# KiCad board proteus.kicad_pcb (continued)
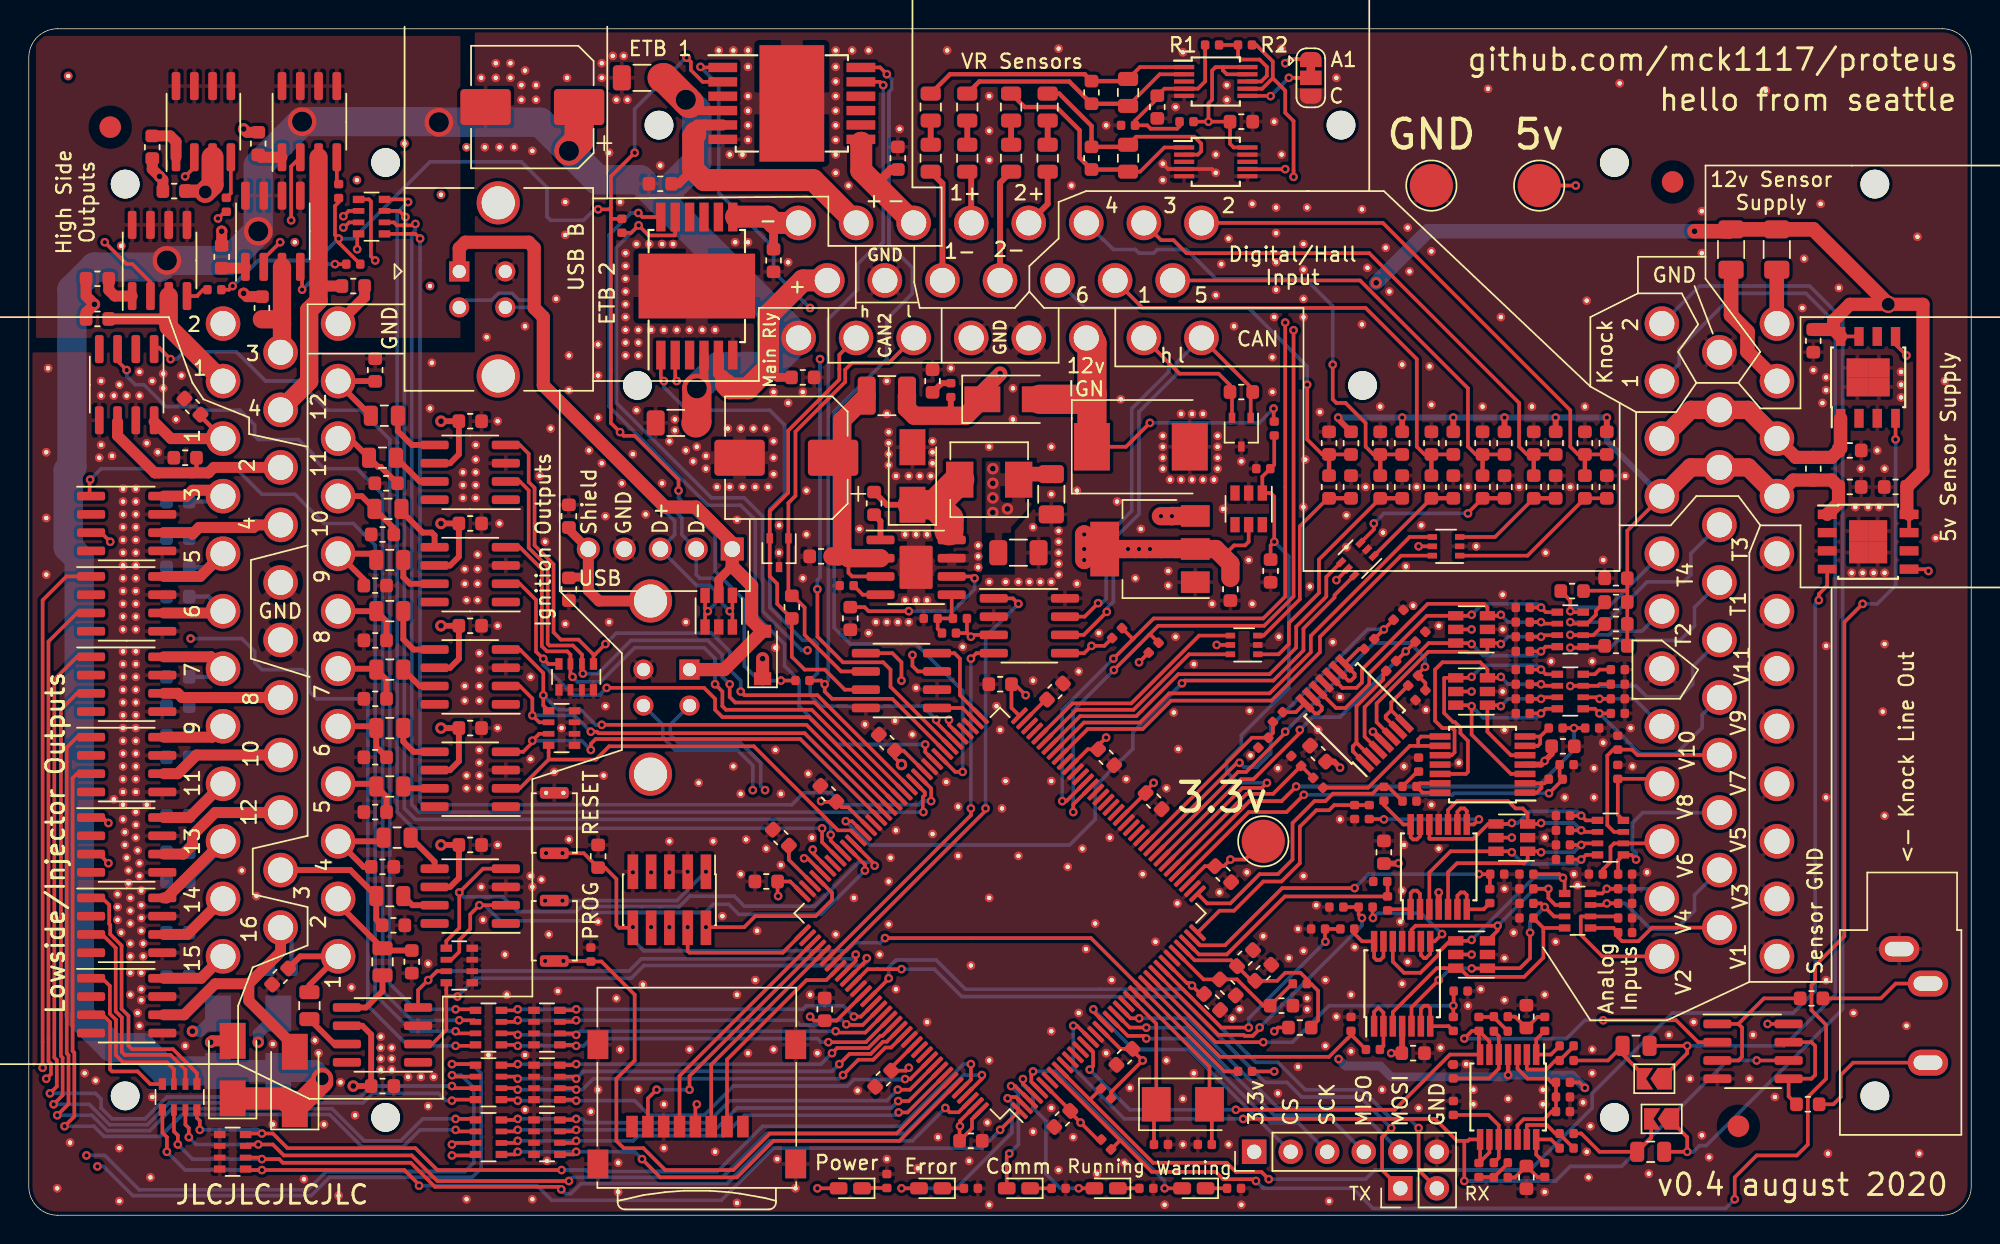
[diagram p0: board, top side]
## Placement (name value [footprint] x y rotation side) (continued)
U1601  TLE9201SG  [Infineon_PG-DSO-12-9]  46.43 64.61 90 top
U1602  MIC4427  [SOIC-8_3.9x4.9mm_P1.27mm]  24.58 12.54 180 top
U1603  MIC4427  [SOIC-8_3.9x4.9mm_P1.27mm]  30.68 22.19 180 top
U1701  MIC4427  [SOIC-8_3.9x4.9mm_P1.27mm]  30.68 30.32 180 top
U1702  MIC4427  [SOIC-8_3.9x4.9mm_P1.27mm]  30.68 37.43 180 top
U1801  MIC4427  [SOIC-8_3.9x4.9mm_P1.27mm]  30.68 44.54 180 top
U1802  MIC4427  [SOIC-8_3.9x4.9mm_P1.27mm]  30.68 51.66 180 top
Y1501  8MHz  [Crystal_SMD_5032-2Pin_5.0x3.2mm]  80.21 7.71 0 top

## Footprints (pads in the part's own frame, mm; a bottom-side part is the same pattern mirrored in y, then rotated)
ampseal-23
  round 2 hole 2 unplated: (-25.2,-7.3) (-23.7,10.8) (23.7,10.8) (25.2,-7.3)
  round 2.4 hole 1.75: 1(-14,4) 2(-10,4) 3(-6,4) 4(-2,4) 5(2,4) 6(6,4) 7(10,4) 8(14,4) 9(-12,0) 10(-8,0) 11(-4,0) 12(0,0) 13(4,0) 14(8,0) 15(12,0) 16(-14,-4) 17(-10,-4) 18(-6,-4) 19(-2,-4) 20(2,-4) 21(6,-4) 22(10,-4) 23(14,-4)
ampseal-35
  round 2 hole 2 unplated: (-33.2,-7.3) (-31.7,10.8) (31.7,10.8) (33.2,-7.3)
  round 2.4 hole 1.75: 1(-22,4) 2(-18,4) 3(-14,4) 4(-10,4) 5(-6,4) 6(-2,4) 7(2,4) 8(6,4) 9(10,4) 10(14,4) 11(18,4) 12(22,4) 13(-20,0) 14(-16,0) 15(-12,0) 16(-8,0) 17(-4,0) 18(0,0) 19(4,0) 20(8,0) 21(12,0) 22(16,0) 23(20,0) 24(-22,-4) 25(-18,-4) 26(-14,-4) 27(-10,-4) 28(-6,-4) 29(-2,-4) 30(2,-4) 31(6,-4) 32(10,-4) 33(14,-4) 34(18,-4) 35(22,-4)
ampseal-35-2
  round 2 hole 2 unplated: (-33.2,-7.3) (-31.7,10.8) (31.7,10.8) (33.2,-7.3)
  round 2.4 hole 1.75: 1(-22,4) 2(-18,4) 3(-14,4) 4(-10,4) 5(-6,4) 6(-2,4) 7(2,4) 8(6,4) 9(10,4) 10(14,4) 11(18,4) 12(22,4) 13(-20,0) 14(-16,0) 15(-12,0) 16(-8,0) 17(-4,0) 18(0,0) 19(4,0) 20(8,0) 21(12,0) 22(16,0) 23(20,0) 24(-22,-4) 25(-18,-4) 26(-14,-4) 27(-10,-4) 28(-6,-4) 29(-2,-4) 30(2,-4) 31(6,-4) 32(10,-4) 33(14,-4) 34(18,-4) 35(22,-4)
C_0402_1005Metric
  rrect 0.59x0.64 smd: 1(-0.485,0) 2(0.485,0)
C_0603_1608Metric
  rrect 0.875x0.95 smd: 1(-0.787,0) 2(0.787,0)
C_0805_2012Metric
  rrect 0.975x1.4 smd: 1(-0.938,0) 2(0.938,0)
C_1206_3216Metric
  rrect 1.25x1.75 smd: 1(-1.4,0) 2(1.4,0)
conn_5_2.5mm
  rect 1.6x1.6 hole 1.1: 1(-5,0)
  round 1.6 hole 1.1: 2(-2.5,0) 3(0,0) 4(2.5,0) 5(5,0)
CP_Elec_8x10
  rrect 3.5x2.5 smd: 1(-3.25,0) 2(3.25,0)
Crystal_SMD_5032-2Pin_5.0x3.2mm
  rect 2x2.4 smd: 1(-1.85,0) 2(1.85,0)
D_SMA
  rect 2.5x1.8 smd: 1(-2,0) 2(2,0)
D_SMC
  rect 2.5x3.3 smd: 1(-3.4,0) 2(3.4,0)
D_SOD-123
  rect 0.9x1.2 smd: 1(-1.65,0) 2(1.65,0)
Fiducial_1.5mm_Mask3mm
  round 1.5 smd: (0,0)
Infineon_PG-DSO-8-43
  rect 1.31x0.65 smd: 1(-2.845,1.905) 2(-2.845,0.635) 3(-2.845,-0.635) 5(2.845,-1.905) 6(2.845,-0.635) 7(2.845,0.635) 8(2.845,1.905)
  rect 1.31x0.6 smd: 4(-2.845,-1.905)
  rect 1.325x1.5 smd: 9(-0.662,0.75) 9(-0.662,-0.75) 9(0.662,0.75) 9(0.662,-0.75)
Infineon_PG-DSO-12-9
  rect 1.95x1.16 smd: (-1.125,2.92) (-1.125,1.46) (-1.125,0) (-1.125,-1.46) (-1.125,-2.92) (1.125,2.92) (1.125,1.46) (1.125,0) (1.125,-1.46) (1.125,-2.92)
  rect 2x0.65 smd: 1(-4.8,2.5) 2(-4.8,1.5) 3(-4.8,0.5) 4(-4.8,-0.5) 5(-4.8,-1.5) 6(-4.8,-2.5) 7(4.8,-2.5) 8(4.8,-1.5) 9(4.8,-0.5) 10(4.8,0.5) 11(4.8,1.5) 12(4.8,2.5)
  rect 4.5x8.1 smd: 13(0,0)
Jack_3.5mm_CUI_SJ1-3533NG_Horizontal
  oval 2.8x1.8 hole 2x1: R(2,-7.9) S(0,0) T(2,-2.4)
L_0603_1608Metric
  rrect 0.875x0.95 smd: 1(-0.787,0) 2(0.787,0)
L_1210_3225Metric
  rrect 1.25x2.65 smd: 1(-1.4,0) 2(1.4,0)
LED_0603_1608Metric_Castellated
  rrect 1.225x0.85 smd: 1(-0.812,0) 2(0.812,0)
LQFP-144_20x20mm_P0.5mm
  rrect 1.475x0.3 smd: 1(-10.662,8.75) 2(-10.662,8.25) 3(-10.663,7.75) 4(-10.662,7.25) 5(-10.662,6.75) 6(-10.662,6.25) 7(-10.662,5.75) 8(-10.662,5.25) 9(-10.662,4.75) 10(-10.662,4.25) 11(-10.662,3.75) 12(-10.662,3.25) 13(-10.662,2.75) 14(-10.662,2.25) 15(-10.662,1.75) 16(-10.663,1.25) 17(-10.662,0.75) 18(-10.662,0.25) 19(-10.662,-0.25) 20(-10.662,-0.75) 21(-10.663,-1.25) 22(-10.662,-1.75) 23(-10.662,-2.25) 24(-10.662,-2.75) 25(-10.662,-3.25) 26(-10.662,-3.75) 27(-10.662,-4.25) 28(-10.662,-4.75) 29(-10.662,-5.25) 30(-10.662,-5.75) 31(-10.662,-6.25) 32(-10.662,-6.75) 33(-10.662,-7.25) 34(-10.663,-7.75) 35(-10.662,-8.25) 36(-10.662,-8.75) 73(10.662,-8.75) 74(10.662,-8.25) 75(10.663,-7.75) 76(10.662,-7.25) 77(10.662,-6.75) 78(10.662,-6.25) 79(10.662,-5.75) 80(10.662,-5.25) 81(10.662,-4.75) 82(10.662,-4.25) 83(10.662,-3.75) 84(10.662,-3.25) 85(10.662,-2.75) 86(10.662,-2.25) 87(10.662,-1.75) 88(10.663,-1.25) 89(10.662,-0.75) 90(10.662,-0.25) 91(10.662,0.25) 92(10.662,0.75) 93(10.663,1.25) 94(10.662,1.75) 95(10.662,2.25) 96(10.662,2.75) 97(10.662,3.25) 98(10.662,3.75) 99(10.662,4.25) 100(10.662,4.75) 101(10.662,5.25) 102(10.662,5.75) 103(10.662,6.25) 104(10.662,6.75) 105(10.662,7.25) 106(10.663,7.75) 107(10.662,8.25) 108(10.662,8.75)
  rrect 0.3x1.475 smd: 37(-8.75,-10.662) 38(-8.25,-10.662) 39(-7.75,-10.663) 40(-7.25,-10.662) 41(-6.75,-10.662) 42(-6.25,-10.662) 43(-5.75,-10.662) 44(-5.25,-10.662) 45(-4.75,-10.662) 46(-4.25,-10.662) 47(-3.75,-10.662) 48(-3.25,-10.662) 49(-2.75,-10.662) 50(-2.25,-10.662) 51(-1.75,-10.662) 52(-1.25,-10.663) 53(-0.75,-10.662) 54(-0.25,-10.662) 55(0.25,-10.662) 56(0.75,-10.662) 57(1.25,-10.663) 58(1.75,-10.662) 59(2.25,-10.662) 60(2.75,-10.662) 61(3.25,-10.662) 62(3.75,-10.662) 63(4.25,-10.662) 64(4.75,-10.662) 65(5.25,-10.662) 66(5.75,-10.662) 67(6.25,-10.662) 68(6.75,-10.662) 69(7.25,-10.662) 70(7.75,-10.663) 71(8.25,-10.662) 72(8.75,-10.662) 109(8.75,10.662) 110(8.25,10.662) 111(7.75,10.663) 112(7.25,10.662) 113(6.75,10.662) 114(6.25,10.662) 115(5.75,10.662) 116(5.25,10.662) 117(4.75,10.662) 118(4.25,10.662) 119(3.75,10.662) 120(3.25,10.662) 121(2.75,10.662) 122(2.25,10.662) 123(1.75,10.662) 124(1.25,10.663) 125(0.75,10.662) 126(0.25,10.662) 127(-0.25,10.662) 128(-0.75,10.662) 129(-1.25,10.663) 130(-1.75,10.662) 131(-2.25,10.662) 132(-2.75,10.662) 133(-3.25,10.662) 134(-3.75,10.662) 135(-4.25,10.662) 136(-4.75,10.662) 137(-5.25,10.662) 138(-5.75,10.662) 139(-6.25,10.662) 140(-6.75,10.662) 141(-7.25,10.662) 142(-7.75,10.663) 143(-8.25,10.662) 144(-8.75,10.662)
microSD_HC_Wuerth_693072010801
  rect 0.8x1.5 smd: 1(-3.2,1.55) 2(-2.1,1.55) 3(-1,1.55) 4(0.1,1.55) 5(1.2,1.55) 6(2.3,1.55) 7(3.4,1.55) 8(4.5,1.55)
  rect 1.45x2 smd: 9(-6.875,4.15) 9(-6.875,-4.15) 9(6.875,4.15) 9(6.875,-4.15)
MSOP-10_3x3mm_P0.5mm
  rect 1.4x0.3 smd: 1(-2.2,1) 2(-2.2,0.5) 3(-2.2,0) 4(-2.2,-0.5) 5(-2.2,-1) 6(2.2,-1) 7(2.2,-0.5) 8(2.2,0) 9(2.2,0.5) 10(2.2,1)
MWSA0503
  rect 1.9x2.5 smd: 1(2.05,0) 2(-2.05,0)
PinHeader_1x02_P2.54mm_Vertical
  rect 1.7x1.7 hole 1: 1(0,0)
  oval 1.7x1.7 hole 1: 2(0,-2.54)
PinHeader_1x06_P2.54mm_Vertical
  rect 1.7x1.7 hole 1: 1(0,0)
  oval 1.7x1.7 hole 1: 2(0,-2.54) 3(0,-5.08) 4(0,-7.62) 5(0,-10.16) 6(0,-12.7)
PinHeader_2x05_P1.27mm_Vertical_SMD
  rect 2.4x0.74 smd: 1(-1.95,2.54) 2(1.95,2.54) 3(-1.95,1.27) 4(1.95,1.27) 5(-1.95,0) 6(1.95,0) 7(-1.95,-1.27) 8(1.95,-1.27) 9(-1.95,-2.54) 10(1.95,-2.54)
R_0402_1005Metric
  rrect 0.59x0.64 smd: 1(-0.485,0) 2(0.485,0)
R_0603_1608Metric
  rrect 0.875x0.95 smd: 1(-0.787,0) 2(0.787,0)
R_0805_2012Metric
  rrect 0.975x1.4 smd: 1(-0.938,0) 2(0.938,0)
R_1206_3216Metric
  rrect 1.25x1.75 smd: 1(-1.4,0) 2(1.4,0)
R_Array_Convex_4x0603
  rect 0.8x0.5 smd: 1(-0.9,1.2) 4(-0.9,-1.2) 5(0.9,-1.2) 8(0.9,1.2)
  rect 0.8x0.4 smd: 2(-0.9,0.4) 3(-0.9,-0.4) 6(0.9,-0.4) 7(0.9,0.4)
SOIC-8-1EP_3.9x4.9mm_P1.27mm_EP2.29x3mm
  rrect 0.92x1.21 smd: (-0.57,0.75) (-0.57,-0.75) (0.57,0.75) (0.57,-0.75)
  rrect 1.95x0.6 smd: 1(-2.475,1.905) 2(-2.475,0.635) 3(-2.475,-0.635) 4(-2.475,-1.905) 5(2.475,-1.905) 6(2.475,-0.635) 7(2.475,0.635) 8(2.475,1.905)
  rrect 2.3x3 smd: 9(0,0)
SOIC-8_3.9x4.9mm_P1.27mm
  rrect 1.95x0.6 smd: 1(-2.475,1.905) 2(-2.475,0.635) 3(-2.475,-0.635) 4(-2.475,-1.905) 5(2.475,-1.905) 6(2.475,-0.635) 7(2.475,0.635) 8(2.475,1.905)
SolderJumper-2_P1.3mm_Open_TrianglePad1.0x1.5mm
  custom 1.5x1.5 smd: 1(-0.725,0)
  custom 1.15x1.5 smd: 2(0.725,0)
SolderJumper-3_P1.3mm_Bridged12_RoundedPad1.0x1.5mm
  custom 1.05x1.5 smd: 1(-1.3,0) 3(1.3,0)
  rect 1x1.5 smd: 2(0,0)
SOT-23-6
  rect 1.06x0.65 smd: 1(-1.1,0.95) 2(-1.1,0) 3(-1.1,-0.95) 4(1.1,-0.95) 5(1.1,0) 6(1.1,0.95)
SOT-223-3_TabPin2
  rect 2x1.5 smd: 1(-3.15,2.3) 2(-3.15,0) 3(-3.15,-2.3)
  rect 2x3.8 smd: 2(3.15,0)
SOT-323_SC-70
  rect 0.7x0.45 smd: 1(-1,0.65) 2(-1,-0.65) 3(1,0)
SOT-363_SC-70-6
  rect 0.65x0.4 smd: 1(-0.95,0.65) 2(-0.95,0) 3(-0.95,-0.65) 4(0.95,-0.65) 5(0.95,0) 6(0.95,0.65)
SW_Push_SPST_NO_Alps_SKRK
  rrect 0.8x2 smd: 1(-2.1,0) 2(2.1,0)
TestPoint_Pad_D3.0mm
  round 3 smd: 1(0,0)
TSSOP-14_4.4x5mm_P0.65mm
  rect 1.45x0.45 smd: 1(-2.95,1.95) 2(-2.95,1.3) 3(-2.95,0.65) 4(-2.95,0) 5(-2.95,-0.65) 6(-2.95,-1.3) 7(-2.95,-1.95) 8(2.95,-1.95) 9(2.95,-1.3) 10(2.95,-0.65) 11(2.95,0) 12(2.95,0.65) 13(2.95,1.3) 14(2.95,1.95)
TSSOP-14_4.4x5mm_P0.65mm#2
  rect 1.45x0.45 smd: 1(-2.95,1.95) 2(-2.95,1.3) 3(-2.95,0.65) 4(-2.95,0) 5(-2.95,-0.65) 6(-2.95,-1.3) 7(-2.95,-1.95) 8(2.95,-1.95) 9(2.95,-1.3) 10(2.95,-0.65) 11(2.95,0) 12(2.95,0.65) 13(2.95,1.3) 14(2.95,1.95)
unnamed
  round 0.6 hole 0.3: 1(0,0)
USB_B_TE_5787834_Vertical
  rect 1.4x1.4 hole 0.92: 1(0,0)
  round 1.4 hole 0.92: 2(-2.5,0) 3(-2.5,-3.2) 4(0,-3.2)
  round 3 hole 2.3: 5(-7.27,-2.71) 5(4.77,-2.71)

## Nets
+3V3: C903.1 C1503.2 C1504.2 C1505.2 C1506.2 C1507.2 C1508.2 C1509.2 C1510.2 C1511.2 C1512.2 C1513.2 C1514.2 C1515.2 D1501.5 D1502.2 FB1501.1 J1.4 J108.1 J1502.1 J1505.1 R40.2 R1001.2 R1006.2 R1007.2 R1105.2 R1107.2 R1109.2 R1111.2 R1215.1 R1216.1 R1301.2 R1502.2 SW1502.2 U5.4 U6.5 U902.2 U904.5 U1201.2 U1501.6 U1501.17 U1501.30 U1501.39 U1501.52 U1501.62 U1501.72 U1501.84 U1501.95 U1501.108 U1501.121 U1501.131 U1501.143 U1501.144 U1601.2
+5V: C701.1 C801.1 C901.1 C905.1 C906.1 C1004.1 C1101.1 C1211.1 C1604.2 C1607.2 C1701.2 C1704.2 C1801.2 C1804.2 D1503.1 J107.1 JP1201.1 L1001.2 R908.2 R1217.1 U1.5 U2.5 U3.5 U4.5 U6.3 U7.8 U701.4 U801.4 U901.4 U902.3 U904.3 U1004.5 U1005.5 U1101.4 U1202.5 U1203.9 U1203.10 U1204.10 U1207.5 U1208.5 U1602.6 U1603.6 U1701.6 U1702.6 U1801.6 U1802.6
/5V_SENSOR_1: C1016.1 C1409.2 J103.9 J103.21 J103.32 R1005.2 R1101.1 R1102.1 R1103.1 R1104.1 R1201.1 R1203.1 R1401.1 R1403.1 R1405.1 R1407.1 U1004.1
/5V_SENSOR_2: C1018.1 J103.10 J103.22 J103.33 R1005.1 U1005.1
/12V_MR: C17.1 C1201.2 C1601.2 D101.1 D102.1 D103.1 D104.1 J101.23 U1102.5 U1102.6 U1102.7 U1102.8 U1103.5 U1103.6 U1103.7 U1103.8 U1104.5 U1104.6 U1104.7 U1104.8 U1105.5 U1105.6 U1105.7 U1105.8 U1201.4 U1601.4
/12V_PROT: C1015.1 C1017.1 D903.1 F101.2 F102.1 L1002.1 R906.1 U1004.7 U1004.8 U1005.7 U1005.8
/12V_RAW: D903.2 D1001.1 J101.18 R1503.1
/AV1: J103.13 R701.1 RN701.1
/AV2: J103.24 R702.1 RN701.2
/AV3: J103.14 R703.1 RN701.3
/AV4: J103.25 R704.1 RN701.4
/AV5: J103.15 R801.1 RN801.1
/AV6: J103.26 R802.1 RN801.2
/AV7: J103.16 R803.1 RN801.3
/AV8: J103.27 R804.1 RN801.4
/AV9: J103.17 R901.1 RN901.1
/AV10: J103.28 R902.1 RN901.2
/AV11: J103.18 R903.1 RN901.3
/mcu/5V_SENSOR_1_PG: R1006.1 U1004.4 U1501.9
/mcu/5V_SENSOR_2_PG: R1007.1 U1005.4 U1501.8
/mcu/12V_DIVIDED: C1523.1 D1501.1 R1503.2 R1504.1 U1501.43
/mcu/AV1: R1.1 R5.2 U1501.26
/mcu/AV2: R2.1 R6.2 U1501.27
/mcu/AV3: R3.1 R7.2 U1501.28
/mcu/AV4: R4.1 R8.2 U1501.29
/mcu/AV5: R9.1 R13.2 U1501.34
/mcu/AV6: R10.1 R14.2 U1501.35
/mcu/AV7: R11.1 R15.2 U1501.36
/mcu/AV8: R12.1 R16.2 U1501.37
/mcu/AV9: R17.1 R21.2 U1501.40
/mcu/AV10: R18.1 R22.2 U1501.41
/mcu/AV11: R19.1 R23.2 U1501.42
/mcu/VDDA: C1501.1 C1502.1 FB1501.2 R48.2 U1501.33
GND: C1.2 C2.2 C3.2 C4.2 C5.2 C6.2 C7.2 C8.2 C9.2 C10.2 C11.2 C12.2 C13.2 C14.2 C15.2 C16.2 C17.2 C21.1 C22.1 C25.1 C26.1 C27.2 C201.2 C202.2 C203.2 C204.2 C301.2 C302.2 C303.2 C304.2 C401.2 C402.2 C403.2 C404.2 C501.2 C502.2 C503.2 C504.2 C701.2 C801.2 C901.2 C902.2 C903.2 C906.2 C1001.2 C1002.2 C1004.2 C1006.2 C1015.2 C1016.2 C1017.2 C1018.2 C1101.2 C1201.1 C1202.1 C1203.2 C1204.2 C1205.2 C1207.2 C1208.2 C1211.2 C1212.2 C1301.2 C1302.2 C1303.2 C1304.2 C1401.2 C1402.2 C1403.2 C1404.2 C1405.2 C1406.2 C1407.2 C1408.2 C1409.1 C1501.2 C1502.2 C1503.1 C1504.1 C1505.1 C1506.1 C1507.1 C1508.1 C1509.1 C1510.1 C1511.1 C1512.1 C1513.1 C1514.1 C1515.1 C1516.2 C1517.1 C1518.2 C1519.2 C1520.2 C1521.2 C1522.2 C1523.2 C1601.1 C1602.1 C1603.2 C1604.1 C1605.2 C1606.2 C1607.1 C1608.2 C1609.2 C1701.1 C1702.2 C1703.2 C1704.1 C1705.2 C1706.2 C1801.1 C1802.2 C1803.2 C1804.1 C1805.2 C1806.2 C1903.1 D1.3 D2.3 D901.2 D1001.2 D1501.2 J1.6 J1.9 J3.S J101.14 J101.19 J101.20 J102.17 J102.18 J102.24 J103.1 J103.2 J103.3 J103.4 J103.5 J103.6 J103.7 J103.8 J103.23 J103.29 J105.1 J1501.4 J1502.3 J1502.5 J1502.9 J1503.4 J1504.4 J1505.6 JP1201.3 NOREF.1 NOREF#2.1 NOREF#3.1 NOREF#4.1 NOREF#5.1 NOREF#6.1 NOREF#7.1 NOREF#8.1 NOREF#9.1 NOREF#10.1 NOREF#11.1 NOREF#12.1 NOREF#13.1 NOREF#14.1 NOREF#15.1 NOREF#16.1 NOREF#17.1 NOREF#18.1 NOREF#19.1 NOREF#20.1 NOREF#21.1 NOREF#22.1 NOREF#23.1 NOREF#24.1 NOREF#25.1 NOREF#26.1 NOREF#27.1 NOREF#28.1 NOREF#29.1 NOREF#30.1 NOREF#31.1 NOREF#32.1 NOREF#33.1 NOREF#34.1 NOREF#35.1 NOREF#36.1 NOREF#37.1 NOREF#38.1 NOREF#39.1 NOREF#40.1 NOREF#41.1 NOREF#42.1 NOREF#43.1 NOREF#44.1 NOREF#45.1 NOREF#46.1 NOREF#47.1 NOREF#48.1 NOREF#49.1 NOREF#50.1 NOREF#51.1 NOREF#52.1 NOREF#53.1 NOREF#54.1 NOREF#55.1 NOREF#56.1 NOREF#57.1 NOREF#58.1 NOREF#59.1 NOREF#60.1 NOREF#61.1 NOREF#62.1 NOREF#63.1 NOREF#64.1 NOREF#65.1 NOREF#66.1 NOREF#67.1 NOREF#68.1 NOREF#69.1 NOREF#70.1 NOREF#71.1 NOREF#72.1 NOREF#73.1 NOREF#74.1 NOREF#75.1 NOREF#76.1 NOREF#77.1 NOREF#78.1 NOREF#79.1 NOREF#80.1 NOREF#81.1 NOREF#82.1 NOREF#83.1 NOREF#84.1 NOREF#85.1 NOREF#86.1 NOREF#87.1 NOREF#88.1 NOREF#89.1 NOREF#90.1 NOREF#91.1 NOREF#92.1 NOREF#93.1 NOREF#94.1 NOREF#95.1 NOREF#96.1 NOREF#97.1 NOREF#98.1 NOREF#99.1 NOREF#100.1 NOREF#101.1 NOREF#102.1 NOREF#103.1 NOREF#104.1 NOREF#105.1 NOREF#106.1 NOREF#107.1 NOREF#108.1 NOREF#109.1 NOREF#110.1 NOREF#111.1 NOREF#112.1 NOREF#113.1 NOREF#114.1 NOREF#115.1 NOREF#116.1 NOREF#117.1 NOREF#118.1 NOREF#119.1 NOREF#120.1 NOREF#121.1 NOREF#122.1 NOREF#123.1 NOREF#124.1 NOREF#125.1 NOREF#126.1 NOREF#127.1 NOREF#128.1 NOREF#129.1 NOREF#130.1 NOREF#131.1 NOREF#132.1 NOREF#133.1 NOREF#134.1 NOREF#135.1 NOREF#136.1 NOREF#137.1 NOREF#138.1 NOREF#139.1 NOREF#140.1 NOREF#141.1 NOREF#142.1 NOREF#143.1 NOREF#144.1 NOREF#145.1 NOREF#146.1 NOREF#147.1 NOREF#148.1 NOREF#149.1 NOREF#150.1 NOREF#151.1 NOREF#152.1 NOREF#153.1 NOREF#154.1 NOREF#155.1 NOREF#156.1 NOREF#157.1 NOREF#158.1 NOREF#159.1 NOREF#160.1 NOREF#161.1 NOREF#162.1 NOREF#163.1 NOREF#164.1 NOREF#165.1 NOREF#166.1 NOREF#167.1 NOREF#168.1 NOREF#169.1 NOREF#170.1 NOREF#171.1 NOREF#172.1 NOREF#173.1 NOREF#174.1 NOREF#175.1 NOREF#176.1 NOREF#177.1 NOREF#178.1 NOREF#179.1 NOREF#180.1 NOREF#181.1 NOREF#182.1 NOREF#183.1 NOREF#184.1 NOREF#185.1 NOREF#186.1 NOREF#187.1 NOREF#188.1 NOREF#189.1 NOREF#190.1 NOREF#191.1 NOREF#192.1 NOREF#193.1 NOREF#194.1 NOREF#195.1 NOREF#196.1 NOREF#197.1 NOREF#198.1 NOREF#199.1 NOREF#200.1 NOREF#201.1 NOREF#202.1 NOREF#203.1 NOREF#204.1 NOREF#205.1 NOREF#206.1 NOREF#207.1 NOREF#208.1 NOREF#209.1 NOREF#210.1 NOREF#211.1 NOREF#212.1 NOREF#213.1 NOREF#214.1 NOREF#215.1 NOREF#216.1 NOREF#217.1 NOREF#218.1 NOREF#219.1 NOREF#220.1 NOREF#221.1 NOREF#222.1 NOREF#223.1 NOREF#224.1 NOREF#225.1 NOREF#226.1 NOREF#227.1 NOREF#228.1 NOREF#229.1 NOREF#230.1 NOREF#231.1 NOREF#232.1 NOREF#233.1 NOREF#234.1 NOREF#235.1 NOREF#236.1 NOREF#237.1 NOREF#238.1 NOREF#239.1 NOREF#240.1 NOREF#241.1 NOREF#242.1 NOREF#243.1 NOREF#244.1 NOREF#245.1 NOREF#246.1 NOREF#247.1 NOREF#248.1 NOREF#249.1 NOREF#250.1 NOREF#251.1 NOREF#252.1 NOREF#253.1 NOREF#254.1 NOREF#255.1 NOREF#256.1 NOREF#257.1 NOREF#258.1 NOREF#259.1 NOREF#260.1 NOREF#261.1 NOREF#262.1 NOREF#263.1 NOREF#264.1 NOREF#265.1 NOREF#266.1 NOREF#267.1 NOREF#268.1 NOREF#269.1 NOREF#270.1 NOREF#271.1 NOREF#272.1 NOREF#273.1 NOREF#274.1 NOREF#275.1 NOREF#276.1 NOREF#277.1 NOREF#278.1 NOREF#279.1 NOREF#280.1 NOREF#281.1 NOREF#282.1 NOREF#283.1 NOREF#284.1 NOREF#285.1 NOREF#286.1 NOREF#287.1 NOREF#288.1 NOREF#289.1 NOREF#290.1 NOREF#291.1 NOREF#292.1 NOREF#293.1 NOREF#294.1 NOREF#295.1 NOREF#296.1 NOREF#297.1 NOREF#298.1 NOREF#299.1 NOREF#300.1 NOREF#301.1 NOREF#302.1 NOREF#303.1 NOREF#304.1 NOREF#305.1 NOREF#306.1 NOREF#307.1 NOREF#308.1 NOREF#309.1 NOREF#310.1 NOREF#311.1 NOREF#312.1 NOREF#313.1 NOREF#314.1 NOREF#315.1 NOREF#316.1 NOREF#317.1 NOREF#318.1 NOREF#319.1 NOREF#320.1 NOREF#321.1 NOREF#322.1 NOREF#323.1 NOREF#324.1 NOREF#325.1 NOREF#326.1 NOREF#327.1 NOREF#328.1 NOREF#329.1 NOREF#330.1 NOREF#331.1 NOREF#332.1 NOREF#333.1 NOREF#334.1 NOREF#335.1 NOREF#336.1 NOREF#337.1 NOREF#338.1 NOREF#339.1 NOREF#340.1 NOREF#341.1 NOREF#342.1 NOREF#343.1 NOREF#344.1 NOREF#345.1 NOREF#346.1 NOREF#347.1 NOREF#348.1 NOREF#349.1 NOREF#350.1 NOREF#351.1 NOREF#352.1 NOREF#353.1 NOREF#354.1 NOREF#355.1 NOREF#356.1 NOREF#357.1 NOREF#358.1 NOREF#359.1 NOREF#360.1 NOREF#361.1 NOREF#362.1 NOREF#363.1 NOREF#364.1 NOREF#365.1 NOREF#366.1 NOREF#367.1 NOREF#368.1 NOREF#369.1 NOREF#370.1 NOREF#371.1 NOREF#372.1 NOREF#373.1 NOREF#374.1 NOREF#375.1 NOREF#376.1 NOREF#377.1 NOREF#378.1 NOREF#379.1 NOREF#380.1 NOREF#381.1 NOREF#382.1 NOREF#383.1 NOREF#384.1 NOREF#385.1 NOREF#386.1 NOREF#387.1 NOREF#388.1 NOREF#389.1 NOREF#390.1 NOREF#391.1 NOREF#392.1 NOREF#393.1 NOREF#394.1 NOREF#395.1 NOREF#396.1 NOREF#397.1 NOREF#398.1 NOREF#399.1 NOREF#400.1 NOREF#401.1 NOREF#402.1 NOREF#403.1 NOREF#404.1 NOREF#405.1 NOREF#406.1 NOREF#407.1 NOREF#408.1 NOREF#409.1 NOREF#410.1 NOREF#411.1 NOREF#412.1 NOREF#413.1 NOREF#414.1 NOREF#415.1 NOREF#416.1 NOREF#417.1 NOREF#418.1 NOREF#419.1 NOREF#420.1 NOREF#421.1 NOREF#422.1 NOREF#423.1 NOREF#424.1 NOREF#425.1 NOREF#426.1 NOREF#427.1 NOREF#428.1 NOREF#429.1 NOREF#430.1 NOREF#431.1 NOREF#432.1 NOREF#433.1 NOREF#434.1 NOREF#435.1 NOREF#436.1 NOREF#437.1 NOREF#438.1 NOREF#439.1 NOREF#440.1 NOREF#441.1 NOREF#442.1 NOREF#443.1 NOREF#444.1 NOREF#445.1 NOREF#446.1 NOREF#447.1 NOREF#448.1 NOREF#449.1 NOREF#450.1 NOREF#451.1 NOREF#452.1 NOREF#453.1 NOREF#454.1 NOREF#455.1 NOREF#456.1 NOREF#457.1 NOREF#458.1 NOREF#459.1 NOREF#460.1 NOREF#461.1 NOREF#462.1 NOREF#463.1 NOREF#464.1 NOREF#465.1 NOREF#466.1 NOREF#467.1 NOREF#468.1 NOREF#469.1 NOREF#470.1 NOREF#471.1 NOREF#472.1 NOREF#473.1 NOREF#474.1 NOREF#475.1 NOREF#476.1 NOREF#477.1 NOREF#478.1 NOREF#479.1 NOREF#480.1 NOREF#481.1 NOREF#482.1 NOREF#483.1 NOREF#484.1 NOREF#485.1 NOREF#486.1 NOREF#487.1 NOREF#488.1 NOREF#489.1 NOREF#490.1 NOREF#491.1 NOREF#492.1 NOREF#493.1 NOREF#494.1 NOREF#495.1 NOREF#496.1 NOREF#497.1 NOREF#498.1 NOREF#499.1 NOREF#500.1 NOREF#501.1 NOREF#502.1 NOREF#503.1 NOREF#504.1 NOREF#505.1 NOREF#506.1 NOREF#507.1 NOREF#508.1 NOREF#509.1 NOREF#510.1 NOREF#511.1 NOREF#512.1 NOREF#513.1 NOREF#514.1 NOREF#515.1 NOREF#516.1 NOREF#517.1 NOREF#518.1 NOREF#519.1 NOREF#520.1 NOREF#521.1 NOREF#522.1 NOREF#523.1 NOREF#524.1 NOREF#525.1 NOREF#526.1 NOREF#527.1 NOREF#528.1 NOREF#529.1 NOREF#530.1 NOREF#531.1 NOREF#532.1 NOREF#533.1 NOREF#534.1 NOREF#535.1 NOREF#536.1 NOREF#537.1 NOREF#538.1 NOREF#539.1 NOREF#540.1 NOREF#541.1 NOREF#542.1 NOREF#543.1 NOREF#544.1 NOREF#545.1 NOREF#546.1 NOREF#547.1 NOREF#548.1 NOREF#549.1 NOREF#550.1 NOREF#551.1 NOREF#552.1 NOREF#553.1 NOREF#554.1 NOREF#555.1 NOREF#556.1 NOREF#557.1 NOREF#558.1 NOREF#559.1 NOREF#560.1 NOREF#561.1 NOREF#562.1 NOREF#563.1 NOREF#564.1 NOREF#565.1 NOREF#566.1 NOREF#567.1 NOREF#568.1 NOREF#569.1 NOREF#570.1 NOREF#571.1 NOREF#572.1 NOREF#573.1 NOREF#574.1 NOREF#575.1 NOREF#576.1 NOREF#577.1 NOREF#578.1 NOREF#579.1 NOREF#580.1 NOREF#581.1 NOREF#582.1 NOREF#583.1 NOREF#584.1 NOREF#585.1 NOREF#586.1 NOREF#587.1 NOREF#588.1 NOREF#589.1 NOREF#590.1 NOREF#591.1 NOREF#592.1 NOREF#593.1 NOREF#594.1 NOREF#595.1 NOREF#596.1 NOREF#597.1 NOREF#598.1 NOREF#599.1 NOREF#600.1 NOREF#601.1 NOREF#602.1 NOREF#603.1 NOREF#604.1 NOREF#605.1 NOREF#606.1 NOREF#607.1 NOREF#608.1 NOREF#609.1 NOREF#610.1 NOREF#611.1 NOREF#612.1 NOREF#613.1 NOREF#614.1 NOREF#615.1 NOREF#616.1 NOREF#617.1 NOREF#618.1 NOREF#619.1 NOREF#620.1 NOREF#621.1 NOREF#622.1 NOREF#623.1 NOREF#624.1 NOREF#625.1 NOREF#626.1 NOREF#627.1 NOREF#628.1 NOREF#629.1 NOREF#630.1 NOREF#631.1 NOREF#632.1 NOREF#633.1 NOREF#634.1 NOREF#635.1 NOREF#636.1 NOREF#637.1 NOREF#638.1 NOREF#639.1 NOREF#640.1 NOREF#641.1 NOREF#642.1 NOREF#643.1 NOREF#644.1 NOREF#645.1 NOREF#646.1 NOREF#647.1 NOREF#648.1 NOREF#649.1 NOREF#650.1 NOREF#651.1 NOREF#652.1 NOREF#653.1 NOREF#654.1 NOREF#655.1 NOREF#656.1 NOREF#657.1 NOREF#658.1 NOREF#659.1 NOREF#660.1 NOREF#661.1 NOREF#662.1 NOREF#663.1 NOREF#664.1 NOREF#665.1 NOREF#666.1 NOREF#667.1 NOREF#668.1 NOREF#669.1 NOREF#670.1 NOREF#671.1 NOREF#672.1 NOREF#673.1 NOREF#674.1 NOREF#675.1 NOREF#676.1 NOREF#677.1 NOREF#678.1 NOREF#679.1 NOREF#680.1 NOREF#681.1 NOREF#682.1 NOREF#683.1 NOREF#684.1 NOREF#685.1 NOREF#686.1 NOREF#687.1 NOREF#688.1 NOREF#689.1 NOREF#690.1 NOREF#691.1 NOREF#692.1 NOREF#693.1 NOREF#694.1 NOREF#695.1 NOREF#696.1 NOREF#697.1 NOREF#698.1 NOREF#699.1 NOREF#700.1 NOREF#701.1 NOREF#702.1 NOREF#703.1 NOREF#704.1 NOREF#705.1 NOREF#706.1 NOREF#707.1 NOREF#708.1 NOREF#709.1 NOREF#710.1 NOREF#711.1 NOREF#712.1 NOREF#713.1 NOREF#714.1 R5.1 R6.1 R7.1 R8.1 R13.1 R14.1 R15.1 R16.1 R21.1 R22.1 R23.1 R24.1 R29.1 R30.1 R31.1 R32.1 R38.2 R701.2 R702.2 R703.2 R704.2 R801.2 R802.2 R803.2 R804.2 R901.2 R902.2 R903.2 R904.2 R905.2 R907.2 R1106.2 R1108.2 R1110.2 R1112.2 R1218.1 R1501.2 R1504.2 R1508.1 R1509.1 R1510.1 R1511.1 R1512.1 R1513.2 RN202.1 RN202.2 RN202.3 RN202.4 RN302.1 RN302.2 RN302.3 RN302.4 RN402.1 RN402.2 RN402.3 RN402.4 RN502.1 RN502.2 RN502.3 RN502.4 RN1601.1 RN1601.2 RN1601.3 RN1601.4 RN1701.1 RN1701.2 RN1701.3 RN1701.4 RN1801.1 RN1801.2 RN1801.3 RN1801.4 SW1501.2 U1.2 U2.2 U3.2 U4.2 U5.11 U6.2 U6.8 U7.4 U201.5 U201.7 U202.5 U202.7 U301.5 U301.7 U302.5 U302.7 U401.5 U401.7 U402.5 U402.7 U501.5 U501.7 U502.5 U502.7 U701.11 U801.11 U901.11 U902.1 U903.7 U903.9 U904.2 U904.8 U1004.3 U1004.9 U1005.3 U1005.9 U1101.11 U1201.6 U1201.13 U1202.2 U1203.5 U1204.4 U1204.5 U1204.6 U1204.9 U1207.2 U1208.2 U1501.16 U1501.31 U1501.38 U1501.48 U1501.51 U1501.61 U1501.83 U1501.94 U1501.107 U1501.120 U1501.130 U1502.2 U1601.6 U1601.13 U1602.3 U1603.3 U1701.3 U1702.3 U1801.3 U1802.3
/AT1: J103.19 R1101.2 RN1101.1
/AT2: J103.30 R1102.2 RN1101.2
/AT3: J103.20 R1103.2 RN1101.3
/AT4: J103.31 R1104.2 RN1101.4
/CAN2+: D2.2 J101.22 R33.1 U6.7
/CAN2-: D2.1 J101.21 R33.2 U6.6
/CAN+: D1.2 J101.17 R1004.1 U904.7
/CAN-: D1.1 J101.16 R1004.2 U904.6
/DIGITAL_1: C1401.1 J101.10 R1401.2 R1402.2
/DIGITAL_2: C1403.1 J101.1 R1403.2 R1404.2
/DIGITAL_3: C1405.1 J101.2 R1405.2 R1406.2
/DIGITAL_4: C1407.1 J101.3 R1407.2 R1408.2
/DIGITAL_5: C1204.1 J101.9 R1201.2 R1202.2
/DIGITAL_6: C1207.1 J101.11 R1203.2 R1204.2
/ETB1+: C1202.2 J101.7 U1201.5
/ETB1-: C1203.1 J101.6 U1201.7
/etb1/DIR: U1201.1 U1501.79
/etb1/DIS: R1001.1 U1201.11 U1501.80
/ETB2+: C1602.2 J101.15 U1601.5
/ETB2-: C1603.1 J101.8 U1601.7
/etb2/DIR: U1501.78 U1601.1
/etb2/DIS: R1301.1 U1501.77 U1601.11
/HS1: C1301.1 J102.2 U1102.3
/HS2: C1302.1 J102.1 U1103.3
/HS3: C1303.1 J102.13 U1104.3
/HS4: C1304.1 J102.14 U1105.3
/IGN1: C1605.1 J102.35 R1601.1
/IGN2: C1606.1 J102.34 R1602.1
/IGN3: C1608.1 J102.22 R1603.1
/IGN4: C1609.1 J102.33 R1604.1
/IGN5: C1702.1 J102.32 R1701.1
/IGN6: C1703.1 J102.31 R1702.1
/IGN7: C1705.1 J102.30 R1703.1
/IGN8: C1706.1 J102.29 R1704.1
/IGN9: C1802.1 J102.28 R1801.1
/IGN10: C1803.1 J102.27 R1802.1
/IGN11: C1805.1 J102.26 R1803.1
/IGN12: C1806.1 J102.25 R1804.1
/knock/FILTERED_1: C23.2 U5.6 U5.7 U7.2 U1501.14
/knock/FILTERED_2: C24.2 U5.8 U5.9 U7.6 U1501.15
/knock/V_mid: C1903.2 R38.1 R40.1 U5.3 U5.12
/KNOCK_1: C1901.2 J103.34 JP1.1
/KNOCK_2: C1902.2 J103.35 JP2.1
/lowside_quad1/IN1: RN201.4 RN202.8 U1501.123
/lowside_quad1/IN2: RN201.3 RN202.7 U1501.124
/lowside_quad1/IN3: RN201.2 RN202.6 U1501.125
/lowside_quad1/IN4: RN201.1 RN202.5 U1501.126
/lowside_quad2/IN1: RN301.4 RN302.8 U1501.127
/lowside_quad2/IN2: RN301.3 RN302.7 U1501.128
/lowside_quad2/IN3: RN301.2 RN302.6 U1501.129
/lowside_quad2/IN4: RN301.1 RN302.5 U1501.134
/lowside_quad3/IN1: RN401.4 RN402.8 U1501.135
/lowside_quad3/IN2: RN401.3 RN402.7 U1501.136
/lowside_quad3/IN3: RN401.2 RN402.6 U1501.137
/lowside_quad3/IN4: RN401.1 RN402.5 U1501.139
/lowside_quad4/IN1: RN501.4 RN502.8 U1501.140
/lowside_quad4/IN2: RN501.3 RN502.7 U1501.141
/lowside_quad4/IN3: RN501.2 RN502.6 U1501.142
/lowside_quad4/IN4: RN501.1 RN502.5 U1501.1
/LS1: C201.1 J102.3 U201.8
/LS2: C202.1 J102.15 U201.6
/LS3: C203.1 J102.4 U202.8
/LS4: C204.1 J102.16 U202.6
/LS5: C301.1 J102.5 U301.8
/LS6: C302.1 J102.6 U301.6
/LS7: C303.1 J102.7 U302.8
/LS8: C304.1 J102.19 U302.6
/LS9: C401.1 J102.8 U401.8
/LS10: C402.1 J102.20 U401.6
/LS11: C403.1 J102.9 U402.8
/LS12: C404.1 J102.21 U402.6
/LS13: C501.1 D103.2 J102.10 U501.8
/LS14: C502.1 D101.2 J102.11 U501.6
/LS15: C503.1 D104.2 J102.12 U502.8
/LS16: C504.1 D102.2 J102.23 U502.6
/mcu/AT1: R25.1 R29.2 U1501.44
/mcu/AT2: R26.1 R30.2 U1501.45
/mcu/AT3: R27.1 R31.2 U1501.46
/mcu/AT4: R28.1 R32.2 U1501.47
/mcu/AUX_SPI_CS: J1505.2 U1501.18
/mcu/AUX_SPI_MISO: J1505.4 U1501.20
/mcu/AUX_SPI_MOSI: J1505.5 U1501.21
/mcu/AUX_SPI_SCK: J1505.3 U1501.19
/mcu/BOOT0: R1513.1 SW1502.1 U1501.138
/mcu/CAN2_RX: U6.4 U1501.73